# Allegro board RK_NVR_DEMO1_RK3588_LP4XD200P232SD8_V21_20211228_final_lint.brd (continued)
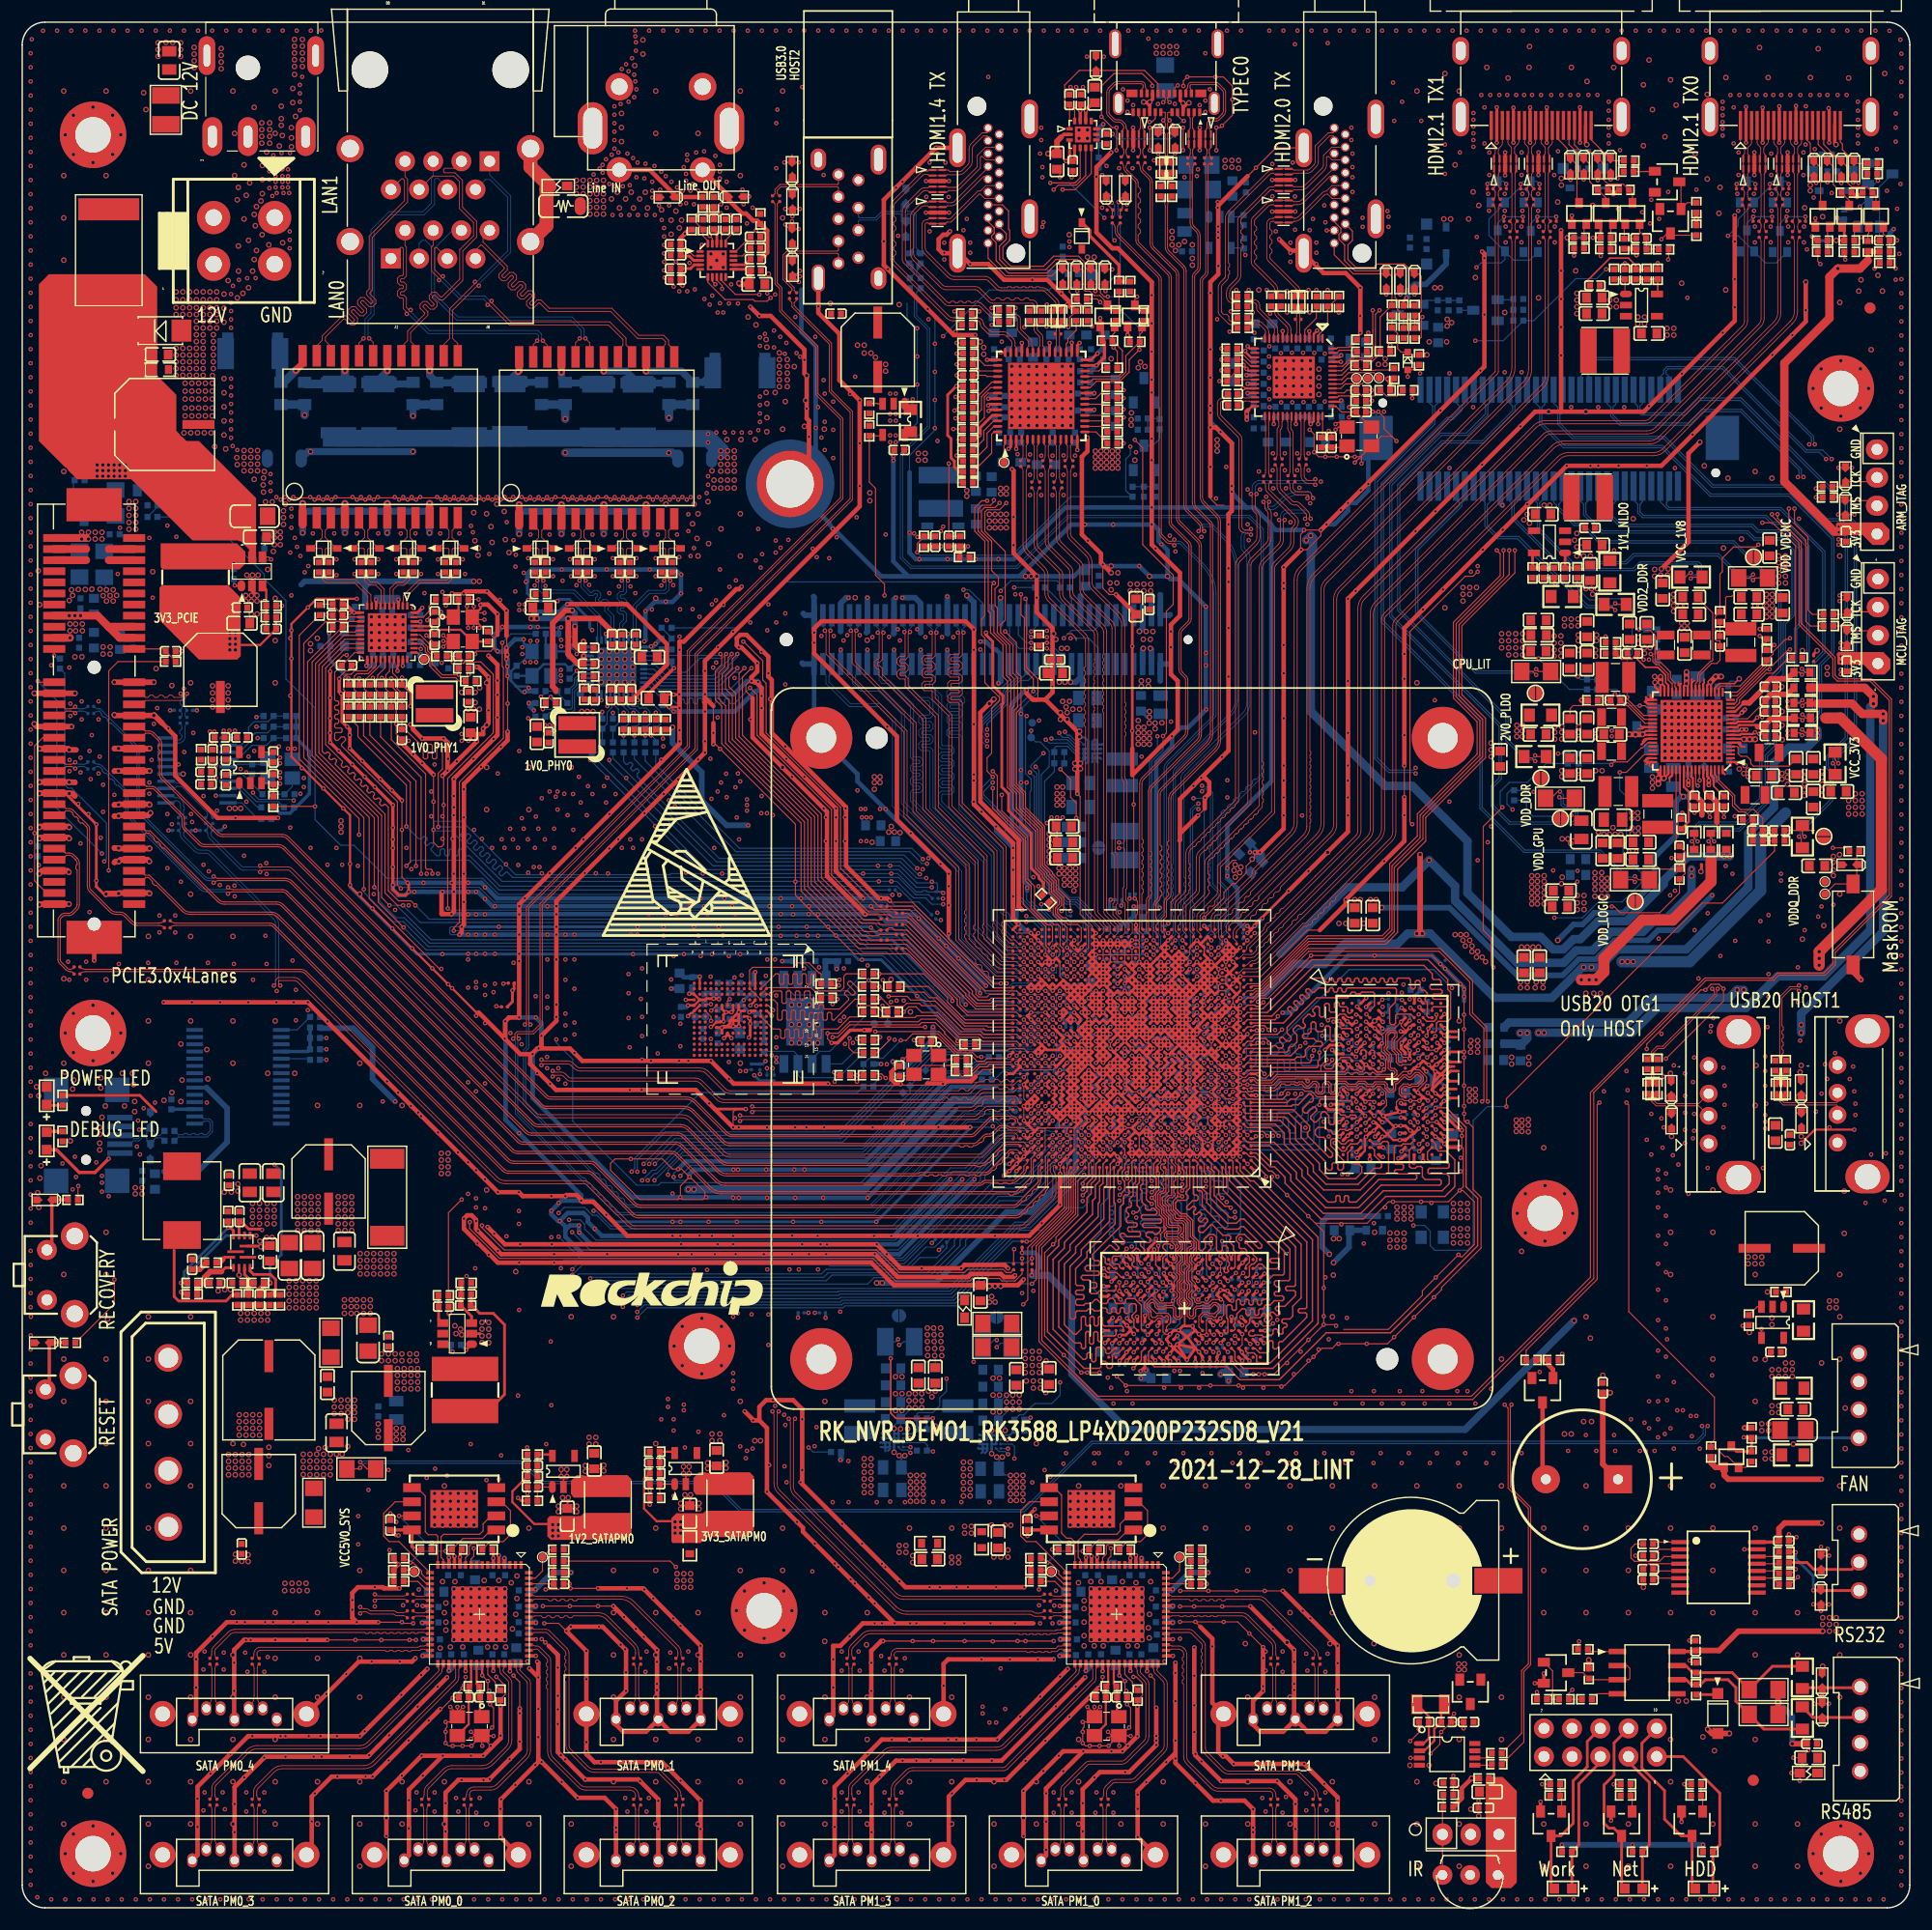
[diagram p0: board, top side]
## Routing (per net, layer and track width the routed paths; a pad name or vN(x,y) marks a point on that pad's centre or on a via; arc(x,y) is an arc through that point) (continued)
  TOP w0.254: v1(104.06,50.79) 104.97,51.48 ; v1(104.06,50.79) 103.75,50.48 U3801.N11 ; v1(104.06,50.79) v1(104.95,49.4) ; v1(104.06,50.79) U3801.K11 ; 104.97,51.48 v1(104.19,52.06) ; 104.97,51.48 U3801.K9 ; 104.97,51.48 U3801.K11 ; v1(159.07,156.2) ED5001.3 ED5001.8 v1(159.07,158.24) ; v1(98.7,71.61) U1000.J19 ; v1(98.7,71.61) U1000.H19 ; v1(98.7,71.61) 98.37,71.94 ; U1000.J19 98.7,72.26 98.37,71.94 ; U1000.J19 v1(99.35,71.61) ; U1000.J19 v1(99.35,72.26) ; U1000.AC4 108.45,81.36 ; U1000.AC4 108.77,81.04 v1(109.1,81.36) U1000.AC3 ; U1000.AC4 108.45,80.71 ; 108.45,81.36 U1000.AD5 108.12,81.69 v1(108.45,82.01) ; 108.45,81.36 108.12,81.04 U1000.AC5 ; U1000.M26 v1(94.15,74.21) U1000.N26 ; U1000.M26 94.15,73.56 U1000.L26 ; U1000.M26 94.8,74.21 ; U1000.M26 v1(94.8,73.56) ; U1000.Y13 102.6,78.76 U1000.Y14 101.94,78.76 ; U1000.Y13 103.25,78.76 ; U1000.Y13 v1(102.6,79.41) 102.27,79.09 v1(101.95,79.41) 101.62,79.09 ; U1000.Y13 102.92,79.09 v1(103.25,79.41) U1000.Y12 103.25,78.76 ; U1000.W12 103.9,78.76 ; U1000.W12 103.25,78.76 ; U1000.W12 103.57,78.44 v1(103.9,78.11) ; 103.9,78.76 U1000.W11 ; 103.9,78.76 103.57,79.09 v1(103.9,79.41) ; 103.9,78.76 U1000.Y11 ; U1000.AG22 97.07,83.64 v1(97.4,83.96) ; U1000.AG22 96.74,83.3 ; U1000.AG22 v1(97.4,83.31) ; U1000.AG22 96.75,83.96 ; U1000.F9 105.52,69.99 105.2,69.66 U1000.F10 104.87,69.99 ; U1000.F9 v1(105.85,69.66) U1000.E8 v1(106.5,69.01) 106.35,68.86 106.35,68.45 ; U1000.F9 105.2,70.31 ; U1000.F9 v1(105.85,70.31) ; v1(105.2,78.76) 105.52,79.09 ; v1(105.2,78.76) 105.52,78.44 U1000.W9 ; v1(105.2,78.76) U1000.Y10 104.87,79.09 ; v1(105.2,78.76) U1000.W10 ; 105.52,79.09 U1000.Y9 v1(105.85,78.76) ; 105.52,79.09 105.2,79.41 ; 105.52,79.09 105.85,79.41 ; v1(100.45,53.28) 100.5,53.23 U3801.V8 ; U1000.AP23 v1(96.75,87.86) U1000.AN23 v1(96.75,87.21) ; 93.82,71.29 93.5,71.61 ; 93.82,71.29 93.5,70.96 U1000.H28 ; 93.82,71.29 v1(94.15,71.61) ; 93.5,71.61 U1000.H28 ; 93.5,71.61 U1000.J27 ; 93.5,71.61 U1000.J28 92.85,71.61 ; 102.91,86.87 102.6,86.56 102.92,86.24 ; 102.91,86.87 v1(103.25,87.21) U1000.AN12 ; 102.91,86.87 102.94,86.87 v1(103.25,86.56) 102.92,86.24 ; U1000.U12 v1(103.25,76.81) ; U1000.U12 103.57,77.14 U1000.V11 ; U1000.U12 v1(103.9,76.81) U1000.T11 104.22,76.48 104.54,76.16 104.22,75.85 U1000.R11 104.22,75.84 v1(104.55,75.51) 104.22,75.19 U1000.P11 ; v1(103.25,76.81) 102.92,76.49 ; v1(103.25,76.81) U1000.U13 ; 92.85,71.61 U1000.H28 ; 92.85,71.61 92.52,71.94 U1000.J29 v1(92.2,71.61) ; v1(92.2,80.71) 92.52,80.39 U1000.AB29 ; v1(111.37,75.12) 111.31,75.19 110.72,75.19 U1000.P1 ; U1000.F15 v1(101.3,70.31) 100.97,69.99 U1000.F16 ; U1000.F15 v1(101.3,69.66) ; U1000.F15 101.62,69.99 v1(101.95,69.66) ; 95.77,79.09 U1000.Y24 96.1,78.76 ; 95.77,79.09 95.77,79.09 95.45,78.76 ; 95.77,79.09 95.45,79.41 ; 95.77,79.09 95.77,79.09 v1(96.1,79.41) ; 109.1,86.56 U1000.AM4 ; 109.1,86.56 U1000.AL3 ; 109.1,86.56 108.77,86.24 108.77,86.24 ; U1000.AM4 v1(108.45,86.56) ; U1000.AM4 v1(108.45,87.21) ; 100.32,69.99 100,70.31 v1(100.65,70.96) ; 100.32,69.99 100.65,69.66 U1000.F16 ; 100.32,69.99 U1000.E18 99.67,69.34 v1(100,69.01) 99.67,68.69 v1(100,68.36) ; U1000.R3 109.42,75.84 v1(109.75,76.16) 109.42,76.49 U1000.T3 109.42,76.49 v1(109.75,76.81) 109.42,77.14 U1000.U3 109.42,77.14 ; U1000.R3 v1(109.1,75.51) ; U1000.R3 109.42,75.84 v1(109.75,75.51) 109.42,75.19 ; U1000.AB17 v1(100.65,80.06) ; U1000.AB17 v1(100.65,80.71) ; U1000.AB17 100.32,80.39 99.99,80.05 ; v1(100.65,80.06) U1000.AA16 ; v1(100.65,80.06) 100.32,79.74 U1000.AA17 ; v1(100.65,80.06) 100.97,80.39 ; U3800.K11 126.74,75.97 v1(126.74,75.99) 126.73,75.99 U3800.J10 v1(125.81,75.93) 125.79,75.93 U3800.K9 125.04,75.3 v1(125.02,75.3) ; U3800.K11 127.35,76.01 v1(127.45,76.01) 127.46,76.09 U3800.J12 v1(128.15,76.66) ; U3800.K11 127.32,75.44 v1(127.32,75.39) ; v1(124.13,71.75) 123.82,72.05 123.82,72.18 ; v1(124.13,71.75) v1(122.62,71.39) 122.22,71.79 ; v1(124.13,71.75) U3800.T8 ; U1000.AH23 96.75,84.61 ; U1000.AH23 96.75,83.96 ; U1000.AH23 96.1,84.61 U1000.AJ23 ; U1000.AH23 96.1,83.96 ; 96.75,84.61 U1000.AJ23 ; 96.75,84.61 97.07,84.94 U1000.AJ22 ; 96.75,84.61 U1000.AH22 ; U1000.AB7 106.5,80.06 ; U1000.AB7 106.5,80.71 ; U1000.AB7 106.82,80.39 107.15,80.71 107.47,80.39 ; U1000.AB7 v1(107.15,80.06) ; 106.5,80.06 U1000.AB8 106.17,80.39 106.5,80.71 ; 106.5,80.06 106.17,79.74 ; U1000.L26 94.8,72.91 ; U1000.L26 94.15,72.91 94.47,72.59 ; U1000.L26 v1(94.8,73.56) ; U1000.AF4 v1(109.1,83.31) U1000.AG3 ; U1000.AF4 U1000.AE3 ; U1000.AF4 108.45,83.31 ; 104.87,81.69 v1(104.55,82.01) ; 104.87,81.69 105.2,82.01 ; 104.87,81.69 104.55,81.36 v1(104.55,81.36) ; 104.87,81.69 U1000.AD10 105.2,81.36 104.87,81.04 U1000.AC10 ; v1(104.55,82.01) 104.87,82.34 ; v1(104.55,82.01) 104.22,81.69 ; v1(104.55,82.01) U1000.AE11 ; U1000.AG6 107.47,83.64 v1(107.15,83.31) ; U1000.AG6 v1(107.15,83.96) ; U1000.AG6 v1(107.8,83.31) ; U1000.AG6 v1(107.8,83.96) ; 106.82,77.14 107.13,76.83 ; 106.82,77.14 106.82,77.13 106.5,76.8 106.49,76.8 v1(106.17,77.13) ; 106.82,77.14 107.15,77.46 107.46,77.15 ; 106.82,77.14 106.5,77.46 ; 107.13,76.83 107.47,76.49 ; 107.13,76.83 107.46,77.15 ; 99.99,80.05 99.67,80.37 U1000.AB18 v1(99.35,80.06) ; 99.99,80.05 U1000.AA18 ; 99.99,80.05 100.31,79.74 100.32,79.74 ; v1(128.15,68.86) 128.49,68.52 v2(129.48,68.52) ; v1(128.15,68.86) U3800.Y12 v1(127.35,69.51) U3800.W11 ; v1(128.15,68.86) 128.52,69.23 129.21,69.23 ; 106.5,80.71 U1000.AC8 106.17,81.04 v1(106.5,81.36) U1000.AD8 106.17,81.69 v1(106.5,82.01) U1000.AE7 ; v1(104.55,85.26) U1000.AJ11 ; v1(104.55,85.26) 104.87,85.59 U1000.AK10 104.55,85.91 ; v1(104.55,85.26) U1000.AK11 ; U1000.AJ11 103.9,84.61 ; U1000.AJ11 103.9,85.26 ; U1000.AJ11 v1(104.55,84.61) U1000.AH11 ; U1000.R20 98.37,75.84 v1(98.7,75.51) ; U1000.R20 v1(98.05,76.16) ; U1000.R20 98.05,75.51 ; U1000.R20 98.37,75.84 v1(98.7,76.16) ; 62.59,79.85 62.91,79.85 62.96,79.9 v1(63.19,79.9) 63.18,79.91 63.18,80.5 v1(63.42,80.74) ; 94.47,71.94 94.15,72.26 ; 94.47,71.94 94.47,71.94 v1(94.8,71.61) ; 94.47,71.94 v1(94.8,72.26) ; 94.47,71.94 v1(94.15,71.61) ; 94.15,72.26 U1000.J27 ; 94.15,72.26 U1000.K26 ; U1000.AA17 100.32,79.74 ; U1000.AA17 v1(100.65,79.41) ; 100.32,79.74 100,79.41 ; 95.77,76.49 95.45,76.81 ; 95.77,76.49 U1000.T24 ; 95.77,76.49 95.77,76.49 96.1,76.81 ; 95.45,76.81 v1(94.8,77.46) ; 95.45,76.81 U1000.U24 ; 95.45,76.81 95.12,76.49 U1000.T25 ; U1000.E3 109.75,69.01 U1000.D3 ; U1000.E3 109.1,69.01 U1000.D3 ; U1000.E3 109.42,69.34 v1(109.75,69.66) U1000.F3 v1(109.75,70.31) U1000.G3 ; U3801.W9 99.85,52.19 v1(99.54,52.5) U3801.Y8 ; U3801.W9 99.85,52.03 v1(100.17,51.72) ; U3801.W9 99.45,51.63 98.96,51.63 v1(98.88,51.55) ; 108.77,86.24 108.45,85.91 ; 108.77,86.24 U1000.AL4 ; v1(98.85,55.59) U3801.Y5 ; v1(83.51,152.81) ED5501.8 ED5501.3 v1(81.43,152.81) ; U1000.J20 98.37,71.94 ; U1000.J20 98.37,71.94 98.05,72.26 ; U1000.J20 v1(98.05,71.61) U1000.J21 ; U1000.J20 98.37,71.94 ; U3800.C12 v1(128.14,80.56) ; 109.42,75.19 U1000.P3 v1(109.75,74.86) 109.42,74.54 U1000.N3 v1(109.75,74.21) U1000.M3 109.75,73.56 U1000.L3 109.76,72.9 109.45,72.59 109.42,72.59 ; 109.42,75.19 v1(109.1,75.51) ; 101.95,83.31 U1000.AF15 ; 101.95,83.31 U1000.AG15 ; 101.95,83.31 U1000.AF14 ; U1000.AF15 101.95,82.66 ; U1000.AF15 v1(101.3,83.31) ; U1000.AF15 101.3,82.66 ; U1000.C15 v1(101.3,67.71) U1000.C16 100.97,68.04 ; U1000.C15 101.62,68.04 v1(101.95,68.36) ; U1000.C15 101.62,68.04 v1(101.95,67.71) U1000.C14 ; v1(109.1,75.51) 108.77,75.84 ; 93.5,85.26 U1000.AK28 v1(92.85,85.26) ; v1(97.4,70.31) U1000.F21 ; v1(97.4,70.31) 97.07,70.64 ; v1(97.4,70.31) 97.07,69.99 ; v1(97.4,70.31) U1000.G21 v1(97.4,70.96) ; U1000.F21 97.72,69.99 v1(98.05,69.66) ; U1000.F21 97.4,69.66 ; v1(99.35,78.76) 99.02,78.44 U1000.W19 ; v1(99.35,78.76) U1000.W18 ; v1(99.35,78.76) U1000.Y18 ; v1(99.35,78.76) 99.02,79.09 U1000.Y19 ; U1000.AA11 104.22,79.74 v1(104.55,80.06) ; U1000.AA11 v1(103.9,79.41) ; U1000.AA11 v1(104.55,79.41) ; U1000.AA11 v1(103.9,80.06) U1000.AB11 ; 94.15,76.81 93.82,76.49 U1000.T27 U1000.R28 93.17,75.84 v1(92.85,76.16) ; 94.15,76.81 94.48,77.14 ; 94.15,76.81 U1000.T26 ; 94.15,76.81 94.14,76.81 93.82,77.13 ; v1(104.55,79.41) 104.87,79.09 ; v1(104.55,79.41) 104.22,79.09 U1000.Y11 ; v1(104.55,79.41) 104.87,79.74 ; 104.87,79.09 104.55,78.76 ; 104.87,79.09 105.2,79.41 ; 107.15,84.61 106.82,84.29 ; 107.15,84.61 107.47,84.94 ; 107.15,84.61 U1000.AJ7 ; 106.82,84.29 106.5,84.61 ; 106.82,84.29 v1(107.15,83.96) ; 106.82,84.29 106.5,83.96 ; v1(91.55,85.26) U1000.AJ30 v1(92.2,85.26) ; U1000.V24 95.77,77.79 v1(95.45,78.11) ; U1000.V24 95.77,77.78 v1(96.1,77.46) ; U1000.V24 v1(96.1,78.11) ; U3801.E8 v1(108.95,53.28) ; 101.94,78.76 U1000.W15 ; 101.94,78.76 101.62,79.08 U1000.Y15 ; U1000.W15 v1(101.3,78.76) ; U1000.W15 101.62,78.44 v1(101.3,78.11) ; 105.2,83.31 104.87,82.99 ; 105.2,83.31 104.87,83.64 U1000.AG10 v1(104.55,83.96) 104.22,84.29 U1000.AH11 ; 105.2,83.31 105.52,82.99 ; 104.87,82.99 104.55,82.66 ; 104.87,82.99 105.2,82.66 ; U1000.AC24 v1(95.45,81.36) ; U1000.AC24 v1(96.1,80.71) 95.77,80.39 ; U1000.AC24 v1(95.45,80.71) 95.77,80.39 ; v1(95.45,81.36) 95.12,81.69 U1000.AD25 ; v1(95.45,81.36) 95.77,81.69 ; 103.25,82.66 U1000.AE13 v1(102.6,82.66) ; 103.25,82.66 U1000.AF12 ; 103.25,82.66 U1000.AE12 ; 103.25,82.66 U1000.AF13 ; v2(161.72,113.33) 161.41,113.02 C1105.2 ; U1000.J23 v1(96.75,71.61) ; U1000.J23 96.42,71.94 v1(96.1,71.61) U1000.J24 95.77,71.94 ; U1000.J23 96.75,72.26 ; v1(96.75,71.61) U1000.J22 ; v1(96.75,71.61) U1000.H22 ; U1000.AJ21 v1(97.4,84.61) ; U1000.AJ21 98.05,85.26 ; U1000.AJ21 v1(97.4,85.26) U1000.AJ22 ; U1000.AJ21 97.72,84.94 98.05,84.61 U1000.AH21 ; v1(97.4,84.61) U1000.AH21 ; v1(97.4,84.61) U1000.AJ22 ; v1(97.4,84.61) U1000.AH22 ; 108.12,80.39 U1000.AB5 v1(107.8,80.07) ; 108.12,80.39 108.12,80.4 107.81,80.72 ; 108.12,80.39 108.45,80.71 ; v1(108.12,70.64) 108.45,70.96 ; v1(108.12,70.64) 107.8,70.31 v1(107.8,70.31) ; v1(108.12,70.64) v1(108.45,70.31) ; v1(108.12,70.64) 107.8,70.96 ; U1000.AC3 v1(109.75,80.71) 109.42,80.39 U1000.AB3 v1(109.75,80.06) U1000.AA3 ; U1000.AC3 109.42,81.04 v1(109.75,81.36) ; v1(100.65,80.71) 100.97,80.39 ; v1(100.65,80.71) 100.97,81.04 U1000.AC16 ; 100.97,80.39 U1000.AB16 101.3,80.06 U1000.AA16 ; 100.97,80.39 101.3,80.71 U1000.AC16 ; U3801.N11 103.42,49.96 v1(103.42,49.96) 103.42,49.95 U3801.P12 103.1,49.59 v1(103.43,49.27) ; U3801.N11 v1(104.95,49.4) ; U3801.N11 v1(103.41,50.78) U3801.P10 v1(103.43,51.71) ; U1000.AH21 98.05,83.96 U1000.AG21 ; U1000.AH21 v1(97.4,83.96) ; U1000.J10 104.55,71.61 ; U1000.J10 105.19,71.62 105.19,71.6 ; U1000.J10 105.2,72.26 ; 104.55,71.61 104.87,71.29 U1000.H10 ; 104.55,71.61 U1000.J11 103.9,71.61 ; 98.7,78.76 98.37,79.09 U1000.Y20 v1(98.7,79.41) ; 98.7,78.76 98.37,78.44 U1000.W20 v1(98.05,78.11) ; 98.7,78.76 U1000.W19 ; 98.7,78.76 U1000.Y19 ; v1(92.85,79.41) 93.17,79.09 U1000.Y28 93.18,79.09 93.5,78.76 U1000.W27 93.82,78.43 93.5,78.11 U1000.V27 ; 98.7,76.81 U1000.U20 ; 98.7,76.81 U1000.T19 ; 98.7,76.81 98.37,76.49 ; U1000.U20 98.37,77.14 v1(98.7,77.46) U1000.V19 v1(99.35,78.11) ; U1000.U20 v1(98.05,77.46) ; U1000.C4 v1(108.45,67.71) U1000.C5 108.12,68.04 v1(107.8,67.71) ; U1000.C4 108.77,68.04 v1(109.1,67.71) 109.42,68.04 ; U1000.C4 109.09,68.36 ; 105.2,77.46 U1000.V10 104.87,77.79 ; 105.2,77.46 104.87,77.14 ; 105.2,77.46 105.51,77.15 105.53,77.15 ; 105.2,77.46 105.52,77.79 ; 101.3,79.41 U1000.AA16 ; 101.3,79.41 100.97,79.09 ; 101.3,79.41 101.62,79.09 ; U1000.AA16 100.97,79.74 v1(100.65,79.41) ; 98.05,80.06 U1000.AA21 97.72,79.74 97.4,80.06 U1000.AA22 96.75,80.06 U1000.AA23 ; 98.05,80.06 98.37,79.74 U1000.AA20 ; 98.05,80.06 U1000.AB20 98.37,80.39 ; U1000.AC16 v1(100.65,81.36) U1000.AD16 ; U1000.AC16 101.3,81.36 U1000.AD16 ; v1(95.45,82.66) 95.77,82.34 U1000.AE24 ; v1(95.45,82.66) U1000.AF24 ; v1(95.45,82.66) 94.8,82.01 ; v1(95.45,82.66) U1000.AF25 ; 62.41,72 v1(65.2,72) ; v1(98.05,76.16) 97.72,75.84 U1000.R21 ; v1(98.05,76.16) 98.37,76.49 U1000.T20 98.37,76.49 ; 105.2,82.01 105.2,82.01 104.87,82.34 ; 105.2,82.01 U1000.AE9 105.52,82.34 ; U1000.B33 89.92,67.39 v1(89.6,67.71) ; U1000.B33 v1(90.25,67.71) U1000.C32 ; U1000.B33 v1(89.6,67.06) U1000.A34 v1(88.95,66.41) 88.87,66.41 v1(88.45,65.99) ; 92.52,82.99 U1000.AF29 92.2,83.31 ; 92.52,82.99 v1(92.85,82.66) 93.17,82.99 ; 92.52,82.99 92.85,83.31 93.17,82.99 ; 98.05,74.86 97.72,75.19 U1000.P21 ; 98.05,74.86 U1000.P20 ; 98.05,74.86 98.37,74.54 U1000.N20 v1(98.05,74.21) U1000.M20 ; U1000.J16 100.97,71.94 v1(100.65,71.61) 100.32,71.94 ; U1000.J16 v1(101.3,72.26) 101.62,71.94 U1000.J15 ; U1000.J16 v1(101.3,71.61) U1000.J15 ; U1000.U31 91.22,77.14 ; 91.22,77.14 91.55,77.46 ; 91.22,77.14 v1(91.55,76.81) 91.87,77.14 ; 103.9,84.61 U1000.AH12 103.9,83.96 ; 103.9,84.61 103.57,84.94 U1000.AJ12 103.9,85.26 ; 103.9,84.61 U1000.AH11 ; 108.77,75.84 v1(108.45,76.16) U1000.R5 ; 108.77,75.84 v1(108.45,75.51) U1000.R5 ; U1000.F22 97.07,69.99 ; U1000.F22 96.75,69.66 ; U1000.F22 97.4,69.66 ; 97.07,69.99 96.75,70.31 ; 93.82,82.99 94.15,83.31 ; 93.82,82.99 93.5,83.31 ; 93.82,82.99 v1(94.15,82.66) ; 93.82,82.99 U1000.AF27 ; 94.15,83.31 94.47,82.99 ; 94.15,83.31 93.82,83.64 93.5,83.31 ; v1(96.1,79.41) U1000.AA24 95.77,79.74 ; v1(96.1,79.41) U1000.AA23 ; v1(96.1,79.41) U1000.Y23 96.42,79.09 96.1,78.76 ; v1(90.9,80.71) 90.57,80.39 U1000.AB32 90.57,80.39 v1(90.9,80.06) 91.22,79.74 U1000.AA31 ; 97.07,70.64 U1000.G22 96.75,70.31 ; 97.07,70.64 v1(97.4,70.96) ; 97.07,75.19 U1000.P22 97.07,75.19 v1(97.4,74.86) ; 97.07,75.19 v1(97.4,75.51) ; 97.07,75.19 v1(96.75,75.51) ; U1000.AJ7 106.5,85.26 ; U1000.AJ7 106.82,84.94 106.5,84.61 ; U1000.AJ7 v1(107.15,85.26) ; 106.5,85.26 U1000.AJ8 ; 106.5,85.26 U1000.AK7 ; 100,83.31 99.67,83.64 ; 100,83.31 v1(100.64,82.67) 100.64,82.66 ; 100,83.31 100.33,83.63 ; 99.67,83.64 U1000.AG18 100,83.96 ; 99.67,83.64 v1(99.35,83.31) ; 99.67,83.64 v1(99.35,83.96) ; 107.47,72.59 U1000.K6 ; 107.47,72.59 v1(107.15,72.26) U1000.J6 ; 107.47,72.59 U1000.K6 ; 107.47,72.59 v1(107.8,72.91) U1000.L6 v1(107.15,73.56) 107.47,73.89 U1000.M6 v1(107.8,74.21) U1000.N6 107.47,74.54 v1(107.8,74.86) U1000.P6 ; U1000.K6 v1(107.8,72.26) ; U1000.AK12 103.25,85.91 ; U1000.AK12 103.9,85.26 ; U1000.AK12 103.9,85.91 ; 103.25,85.91 U1000.AK13 102.6,85.91 ; 103.25,85.91 U1000.AL13 ; v1(107.8,84.61) 107.47,84.94 ; 107.47,84.94 v1(107.15,85.26) ; 107.47,84.94 108.12,85.59 108.12,85.59 ; 104.55,82.66 104.22,82.99 ; 104.55,82.66 104.87,82.34 ; 104.55,82.66 U1000.AE11 ; 104.87,69.99 105.2,70.31 ; 104.87,69.99 v1(104.55,69.66) 104.22,69.99 U1000.F11 ; 105.2,70.31 104.87,70.64 U1000.G10 v1(105.2,70.96) U1000.H10 ; v1(107.8,80.07) 107.48,80.39 U1000.AB6 ; v1(107.8,80.07) U1000.AA6 ; U1000.H22 v1(97.4,71.61) ; U1000.H22 v1(97.4,70.96) ; v1(97.4,71.61) U1000.J21 ; v1(97.4,71.61) 97.07,71.94 U1000.J22 ; U1000.Y18 100,78.76 ; U1000.Y18 99.67,79.09 ; 100,78.76 100.32,79.09 ; 100,78.76 U1000.W18 ; 100,78.76 100.32,78.44 U1000.W17 v1(100.65,78.76) ; v1(96.1,80.06) U1000.AB24 95.77,80.39 ; v1(96.1,80.06) U1000.AA23 ; v1(96.1,80.06) 95.77,79.74 95.77,79.74 ; v1(107.15,83.96) 106.82,83.64 U1000.AG7 ; 105.85,76.16 105.52,75.84 U1000.R9 105.85,75.51 ; 105.85,76.16 U1000.T9 ; 105.85,76.16 106.17,75.84 ; v1(101.3,84.61) 100.97,84.94 U1000.AJ16 ; v1(101.3,84.61) U1000.AJ15 ; v1(101.3,84.61) U1000.AH15 ; U1000.K26 94.47,72.59 ; U1000.K26 v1(94.8,72.26) ; 94.47,72.59 94.8,72.91 ; v1(103.9,81.36) 104.22,81.69 ; v1(103.9,81.36) U1000.AD12 103.57,81.69 v1(103.9,82.01) ; v1(103.9,81.36) 103.57,81.04 U1000.AC12 103.9,80.71 ; v1(103.9,81.36) U1000.AC11 ; 104.22,81.69 U1000.AD11 ; 104.22,81.69 v1(103.9,82.01) ; 104.22,81.69 104.55,81.36 ; U1000.AG7 v1(107.15,83.31) ; U1000.AG7 106.5,83.96 ; U1000.AG7 106.5,83.31 ; U1000.C22 97.07,68.04 v1(97.4,67.71) U1000.C21 98.05,67.71 U1000.C20 98.37,68.04 v1(98.7,67.71) 99.02,67.39 U1000.B19 v1(98.7,67.06) ; U1000.C22 v1(96.75,67.71) U1000.C23 ; U1000.C22 v1(96.75,68.36) ; 95.45,82.01 95.77,81.69 ; 95.45,82.01 U1000.AD25 ; 95.45,82.01 94.8,82.66 ; 95.45,82.01 U1000.AE24 ; 95.77,81.69 U1000.AD24 ; v1(93.5,80.06) 93.82,80.39 U1000.AB27 ; U3801.Y1 99.2,58.29 v1(99.53,57.96) U3801.W2 ; U1000.V4 108.45,77.46 U1000.V5 ; U1000.V4 109.09,77.47 ; U1000.V4 v1(109.1,78.11) ; U1000.V4 v1(108.45,78.11) U1000.V5 ; U1000.AF16 v1(100.65,83.31) ; U1000.AF16 100.97,82.99 101.3,82.66 ; U1000.AF16 v1(101.3,83.31) ; U1000.AF16 100.65,82.66 100.64,82.66 ; v1(100.65,83.31) 100,82.66 ; v1(100.65,83.31) 100.33,83.63 ; 95.77,71.94 95.45,71.61 ; 95.77,71.94 95.77,71.94 95.45,72.26 ; 95.45,71.61 U1000.H25 ; 95.45,71.61 U1000.J25 ; U1000.M15 101.3,73.56 U1000.L16 v1(100.65,73.56) ; U1000.M15 v1(101.95,74.21) ; U1000.M15 101.95,73.56 U1000.M14 ; U1000.G32 v1(90.9,70.96) U1000.H31 ; U1000.G32 91.22,69.99 U1000.F31 ; U1000.G32 v1(90.25,70.96) ; U1000.AM22 v1(96.75,87.21) ; U1000.AM22 v1(96.75,86.56) ; U1000.AM22 v1(97.4,87.21) v1(98.05,86.56) U1000.AM20 ; U1000.AM22 v1(97.4,86.56) v1(98.05,87.21) U1000.AM20 ; v1(96.75,87.21) U1000.AM23 v1(96.75,86.56) ; 107.46,77.15 107.49,77.15 v1(107.8,77.46) U1000.V5 ; 107.46,77.15 107.8,76.81 107.47,76.49 ; U1000.V8 105.85,77.46 ; U1000.V8 v1(105.85,78.11) ; U1000.V8 106.5,77.46 ; 105.85,77.46 106.17,77.14 106.17,77.13 ; 105.85,77.46 105.52,77.79 ; 105.85,77.46 105.84,77.46 105.53,77.15 ; 101.95,82.66 U1000.AF14 ; 101.95,82.66 U1000.AE14 v1(102.6,82.66) ; 101.95,82.66 U1000.AE15 ; v1(94.15,71.61) U1000.J27 ; v1(94.15,71.61) U1000.H26 ; 105.19,71.6 U1000.H10 ; 105.19,71.6 105.52,71.94 ; 103.9,85.91 U1000.AL11 104.22,86.24 104.55,85.91 ; 103.9,85.91 U1000.AK11 ; 105.2,72.91 105.2,72.91 104.87,72.59 105.2,72.26 ; 105.2,72.91 105.52,72.59 ; 105.2,72.91 105.52,73.24 ; U1000.AE12 103.57,82.34 103.9,82.66 ; U1000.AE12 v1(103.9,82.01) ; U1000.R21 v1(97.4,75.51) ; U1000.R21 97.72,75.84 98.05,75.51 ; v1(97.4,75.51) 97.07,75.84 U1000.R22 v1(96.75,75.51) ; v1(97.4,75.51) 97.72,75.19 ; U3800.V1 v1(119.35,70.81) ; 96.42,85.59 96.75,85.26 ; 96.42,85.59 96.1,85.26 U1000.AJ23 ; 96.42,85.59 96.1,85.91 96.42,86.24 U1000.AL23 ; 96.75,85.26 96.42,84.94 U1000.AJ23 ; 96.75,85.26 U1000.AJ22 ; 96.75,83.96 U1000.AH22 ; U1000.AH22 v1(97.4,83.96) ; U1000.J15 101.95,71.61 ; v1(101.95,74.21) U1000.N14 ; v1(101.95,74.21) U1000.M14 ; v1(101.95,74.21) 101.62,74.54 U1000.N15 v1(101.95,74.86) ; 100.32,79.09 U1000.Y17 ; 100.32,79.09 100,79.41 ; v1(98.7,76.16) 99.02,75.84 U1000.R19 ; v1(98.7,76.16) 99.02,76.49 U1000.T19 ; v1(98.7,76.16) 98.37,76.49 ; v1(94.8,77.46) U1000.V25 ; v1(94.8,77.46) 94.48,77.14 ; 96.75,69.66 97.07,69.34 ; 96.75,69.66 U1000.F23 96.42,69.99 96.75,70.31 ; 96.75,69.66 96.42,69.34 U1000.E23 v1(96.75,69.01) ; v1(98.7,75.51) U1000.R19 ; v1(98.7,75.51) 98.37,75.19 U1000.P20 ; v1(98.7,75.51) 99.02,75.19 ; v1(135.87,159.12) J5001.8 v1(135.87,162.3) ; U1000.AM18 99.35,86.56 v1(98.7,87.21) U1000.AM20 ; U1000.AM18 99.35,87.21 v1(98.7,86.56) U1000.AM20 ; U1000.AM18 v1(100,87.21) ; U1000.AM18 v1(100,86.56) ; v1(100.65,78.76) U1000.Y17 ; v1(100.65,78.76) U1000.W16 ; v1(100.65,78.76) 100.97,79.09 ; U1000.Y17 100.32,79.09 v1(100.65,79.41) ; v1(103.9,78.11) U1000.V11 ; v1(103.9,78.11) U1000.W11 ; U1000.V11 104.55,77.46 ; U1000.V11 v1(104.55,78.11) ; U3801.G3 107.93,57.11 v1(107.93,57.14) ; v1(97.4,83.31) U1000.AF21 ; v1(97.4,83.31) U1000.AF22 97.06,82.99 96.74,83.3 ; v1(97.4,83.31) U1000.AG21 ; U1000.AF21 98.05,83.31 U1000.AG21 ; U1000.AF21 98.05,82.66 ; 129.31,74.52 128.6,74.52 v1(128.19,74.92) ; U1000.P26 94.47,75.19 ; U1000.P26 94.47,75.19 v1(94.8,74.86) ; U1000.P26 v1(94.15,74.86) U1000.N26 ; 94.47,75.19 94.15,75.51 U1000.R26 ; 94.47,75.19 v1(94.8,75.51) ; 99.35,75.51 U1000.R18 99.67,75.84 99.35,76.16 ; 99.35,75.51 99.02,75.19 ; 99.35,75.51 99.02,75.84 U1000.R19 ; 99.35,75.51 99.67,75.19 U1000.P18 v1(99.35,74.86) ; v1(96.75,86.56) 96.42,86.24 U1000.AL23 ; v1(101.3,78.76) U1000.Y16 100.97,79.09 ; v1(101.3,78.76) U1000.W16 ; v1(101.3,78.76) 101.62,79.09 ; U1000.AK7 106.5,85.91 ; U1000.AK7 v1(107.15,85.26) ; U1000.AG15 v1(101.3,83.96) U1000.AH15 ; U1000.AG15 101.95,83.96 U1000.AH15 ; U1000.AG15 v1(101.3,83.31) ; U4000.G5 64.05,80.88 v1(63.9,80.74) v1(63.42,80.74) ; 105.52,82.99 105.2,82.66 ; 105.52,82.99 105.52,82.99 v1(105.85,83.31) ; 105.52,82.99 105.83,82.67 